# KiCad board PC110.kicad_pcb (continued)
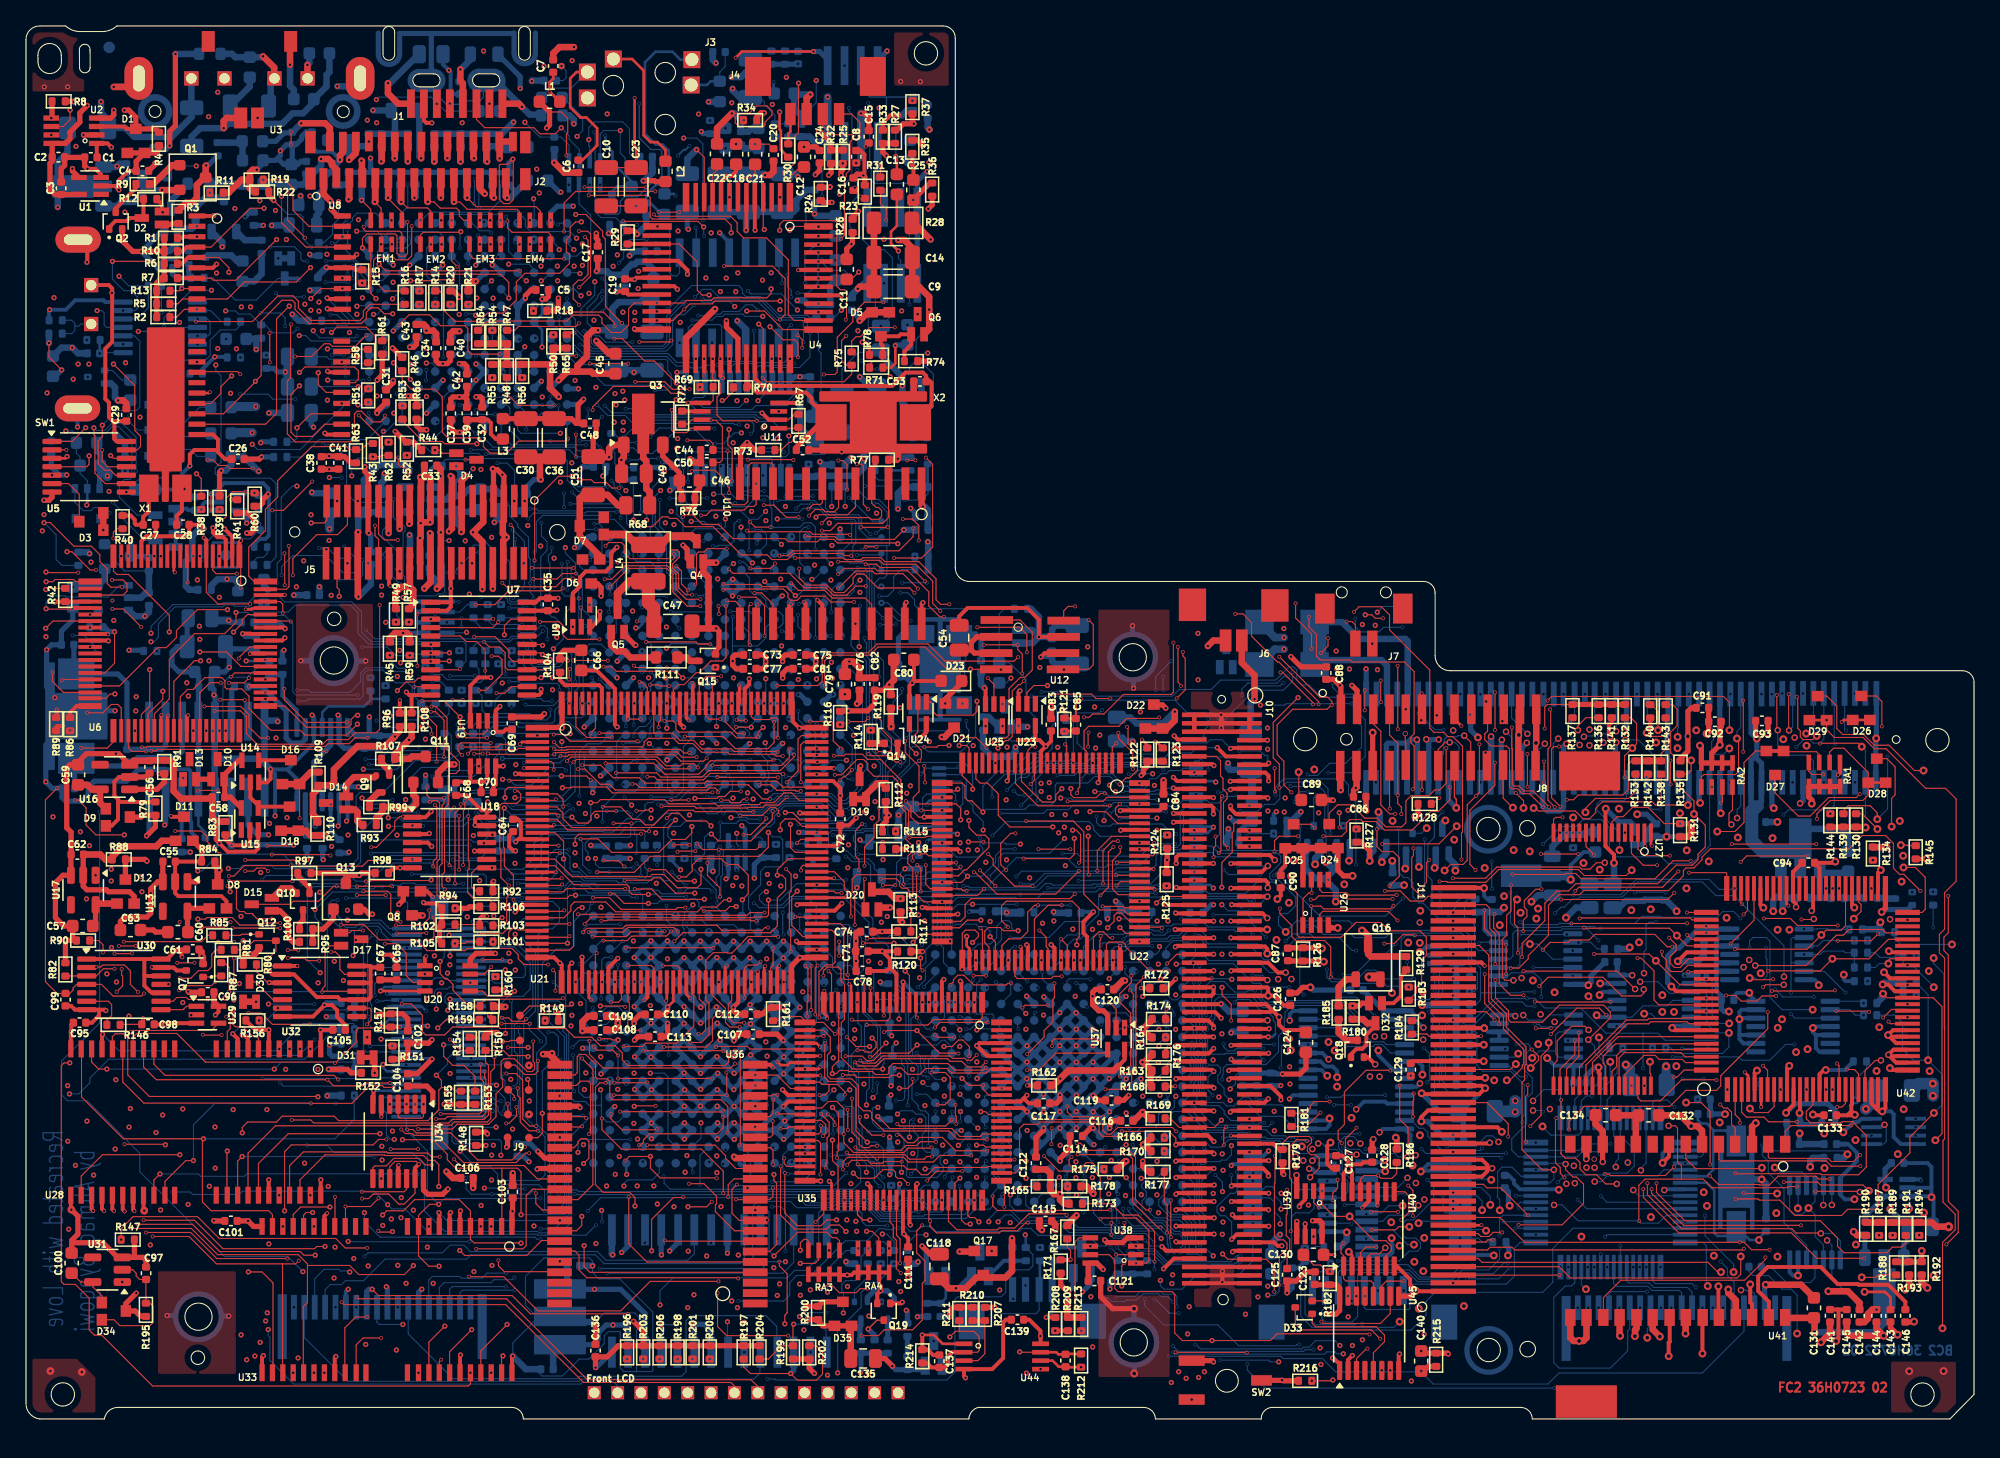
[diagram p0: board, top side]
## Routing (per net, layer and track width the routed paths; a pad name or vN(x,y) marks a point on that pad's centre or on a via; arc(x,y) is an arc through that point) (continued)
IOR#: length 220.3
  FC2 w0.08: v3(57.51,46.84) 57.51,46.23 55.83,44.55 53.32,44.55 v1(52.79,45.08) ; v3(72.99,34.16) v3(73.95,34.16) ; v3(72.45,40.71) 72.17,40.71 72.03,40.85 69.66,40.85 69.31,41.2 v3(69.31,42.67) ; v3(55.44,53.81) 55.41,53.84 54.77,53.84 v3(54.73,53.88) ; U35.86 74.14,23.46 73.92,23.68 v1(73.54,23.68)
  FC1 w0.08: v3(57.36,55.15) 57.36,55.18 56.95,55.59 55.58,55.59 54.73,54.74 v3(54.73,53.88) ; v3(72.45,40.71) 72.45,38.11 73.95,36.61 v3(73.95,34.16) ; v3(55.44,53.81) 56.02,53.81 56.31,53.52 56.31,53.06 56.01,52.76 56.01,52.41 56.17,52.25 56.17,50.11 57.62,48.66 57.62,47.6 57.51,47.49 v3(57.51,46.84) 58.02,47.35 59.83,47.35 60.34,46.84 62.29,46.84 63.6,45.53 64.66,45.53 65.27,44.92 67.19,44.92 67.76,45.49 68.5,45.49 69.31,44.68 v3(69.31,42.67) ; v1(73.54,23.68) 73.08,23.68 72.78,23.98 72.78,25.65 72.58,25.85 72.58,26.48 72.14,26.92 72.14,28.17 72.4,28.43 72.4,30.59 72.04,30.95 72.04,32.38 72.99,33.33 v3(72.99,34.16)
  IC1 w0.08: v2(138.53,19.34) 138.54,19.34 139.28,20.08 139.28,20.63 140.55,21.9 140.55,22.45 140.13,22.87 135.11,22.87 134.59,23.39 132.3,23.39 131.6,24.09 129.15,24.09 128.4,24.84 127.51,24.84 126.13,23.46 118.96,23.46 117.61,24.81 117.39,24.81 115.47,26.73 113.39,26.73 113.04,27.08 106.1,27.08 104.8,25.78 102.68,25.78 101.45,27.01 99.54,27.01 97.82,25.29 95.26,25.29 93.22,27.33 90.95,27.33 89.3,25.68 76.8,25.68 74.8,23.68 v1(73.54,23.68)
  IC3 w0.08: v2(131.17,29.75) 132.09,28.83 136.9,28.83 v2(137.23,28.5)
  BC1 w0.08: v2(138.53,19.34) 138.53,20.87 137.14,22.26 137.14,24.24 137.23,24.33 v2(137.23,28.5) 137.23,29.17 137.02,29.38 137.02,33.13 137.35,33.46 137.35,37.36 v7(136.96,37.75) ; v7(141.85,36.87) 141.85,36.94 141.06,37.73 v7(140.43,37.73) ; v7(126.3,28.62) 125.84,28.16 123.23,28.16 123.19,28.12 120.88,28.12 120.23,27.48 120.23,23.27 v7(120.3,23.2) 120.3,21.53 119.19,20.42 117.73,20.42 117.44,20.13 v7(113.64,20.13) ; v7(109.15,20.13) 109.16,20.12 v7(109.16,17.22) ; v7(72.65,26.42) 72.65,24.57 v1(73.54,23.68)
  BC2 w0.08: v7(113.64,20.13) 113.54,20.23 109.25,20.23 v7(109.15,20.13) ; v7(126.3,28.62) 126.66,28.62 127.12,28.17 130.68,28.17 131.17,28.66 v2(131.17,29.75) 130.17,29.75 129.46,30.46 129.46,31.58 ; v7(72.65,26.42) 72.57,26.5 72.57,26.92 ; U66.5 129.46,31.61 129.46,31.58 ; v1(52.79,45.08) 52.53,45.08 52.26,44.81 52.26,43.55 51.9,43.19 R326.2 ; 129.46,31.58 129.46,32.72 129.27,32.91 U66.3 ; v7(140.43,37.73) 138.82,37.73 138.77,37.78 137.98,37.78 137.95,37.75 v7(136.96,37.75) ; U72.7 109.35,15.89 109.16,16.07 v7(109.16,17.22)
IOW#: length 206.9
  FC2 w0.08: v3(61.52,56.52) 61.52,58.44 61.94,58.86 65,58.86 65.63,59.49 69.24,59.49 70.96,57.77 v3(72.09,57.77) ; v3(57.62,53.72) 57.62,52.12 57.15,51.65 54.65,51.65 53.71,52.59 v3(50.75,52.59) ; U35.89 74.17,24.96 73.73,25.4 v3(73.73,25.71) 72.63,25.71 v1(72.1,26.24) ; v3(51.67,44.34) 52.13,43.88 v3(53.36,43.88) 56.26,43.88 v3(56.55,44.17) ; U25.2 74.56,56.61 v3(74.08,57.09) ; v3(68.93,40.65) 68.93,42.41 v3(68.65,42.69)
  FC1 w0.08: v1(54.44,41.1) 53.68,41.1 53.42,41.36 53.42,43.82 v3(53.36,43.88) ; v3(50.75,52.59) 50.75,52.09 50.59,51.93 50.59,49.47 52,48.06 52,47.58 51.82,47.4 51.82,44.49 v3(51.67,44.34) ; v3(61.52,56.52) 61.52,56.52 60.38,56.52 57.62,53.76 v3(57.62,53.72) 57.62,54.05 56.86,54.81 v3(56.86,55.15) ; v3(68.65,42.69) 68.65,43.17 68.44,43.38 66.79,43.38 66.57,43.6 65.2,43.6 64.74,43.14 58.2,43.14 57.17,44.17 v3(56.55,44.17) ; v3(68.93,40.65) 71.7,40.65 72.25,40.1 72.25,38.13 72.02,37.9 72.02,36.71 72.61,36.12 73.27,36.12 73.66,35.73 73.66,33.69 72.22,32.25 72.22,31.28 72.59,30.91 72.59,28.36 72.34,28.11 72.34,27.19 72.78,26.75 72.78,25.97 73.04,25.71 v3(73.73,25.71) ; v3(72.09,57.77) 72.77,57.09 v3(74.08,57.09)
  IC1 w0.08: v2(113.09,26.1) 113.09,24.21 114.76,22.54 v2(116.81,22.54)
  IC2 w0.08: v2(107.26,15.09) 108.83,15.09 109.72,15.98 109.72,22.06 113.09,25.43 v2(113.09,26.1)
  IC3 w0.08: v1(72.1,26.24) 72.72,25.62 89.45,25.62 91.05,27.22 91.95,27.22 92.05,27.32 93.44,27.32 94.66,26.1 94.66,24.77 95.23,24.2 96.45,24.2 97.94,22.71 102.92,22.71 103.34,23.13 105.61,23.13 106.96,24.48 107.68,24.48 107.9,24.7 112.22,24.7 113.09,25.57 v2(113.09,26.1)
  BC1 w0.08: v7(120.61,24.89) 120.61,27.48 121.08,27.95 124.63,27.95 124.64,27.96 126.79,27.96 v7(126.85,27.9) ; v7(136.22,28.86) 136.22,29.96 136.64,30.38 136.64,35.48 v7(136.96,35.8) ; v1(54.44,41.1) 53.85,41.1 53.36,41.59 53.36,42.38 53.07,42.67 52.33,42.67 51.81,43.19 v7(50.72,43.19)
  BC2 w0.08: v7(120.61,24.89) 120.18,24.89 119.8,24.51 119.8,22.11 119.56,21.87 117.46,21.87 116.81,22.52 v2(116.81,22.54) ; R298.2 R299.2 140.12,35.93 139.99,36.06 138.46,36.06 138.2,35.8 v7(136.96,35.8) ; v1(72.1,26.24) 71.99,26.35 71.43,26.35 71.3,26.48 71.3,26.9 ; v2(107.26,15.09) 107.41,15.24 U72.8 ; v7(136.22,28.86) 135.53,28.86 134.31,27.64 132.19,27.64 131.93,27.9 v7(126.85,27.9)
IRQ3: length 43
  FC2 w0.08: 62.23,41.67 v3(62.24,41.68) ; v1(66.86,36.66) 66.85,36.67 v3(64.47,36.67)
  FC2 w0.2: U21.85 62.23,41.67
  FC1 w0.08: v3(64.47,36.67) 64.47,37.88 63.99,38.36 62.77,38.36 62.24,38.89 v3(62.24,41.68) ; v3(66.99,45.28) 67.4,45.69 68.62,45.69 69.91,44.4 v3(70.57,44.4) 70.57,43.3 69.64,42.37 68.36,42.37 67.95,41.96 67.02,41.96 66.42,41.36 66.42,40.24 67,39.66 67,38.97 66.86,38.83 v1(66.86,36.66)
  BC1 w0.08: v7(70.03,22.4) 68.22,22.4 68.02,22.6 68.02,23.67 67.91,23.78 v7(67.91,24.17)
  BC2 w0.08: v7(70.03,22.4) 70.04,22.4 U74.E1 ; v7(67.91,24.17) 67.91,24.56 67.98,24.63 67.98,26.52 67.92,26.58 67.92,27.47 67.78,27.61 67.78,32.52 66.95,33.35 66.95,36.57 v1(66.86,36.66)
IRQ4: length 77.5
  FC2 w0.08: v3(68.29,43.03) 68.29,43.42 68.77,43.9 U22.36
  FC2 w0.3: U22.36 71.77,43.9 v1(71.95,43.72)
  FC1 w0.08: v3(68.29,43.03) 67.03,43.03 66.57,42.57 65.21,42.57 64.84,42.94 62.36,42.94 60.91,41.49 v3(60.91,41.17)
  IC2 w0.08: v1(84.69,17.21) 84.69,17.76 84.33,18.12 84.33,18.76 83.89,19.2 83.02,19.2 80.53,21.69 78.32,21.69 77.78,22.23 v1(77.11,22.23)
  BC1 w0.08: v1(77.11,22.23) 76.86,22.48 v7(73.91,22.48) ; v7(83.65,16.2) 83.79,16.34 83.79,17.53 84.04,17.78 84.57,17.78 84.69,17.66 v1(84.69,17.21) ; v7(74.28,23.62) 73.91,23.99 73.91,27.3 73.9,27.31 73.9,28.93 73.7,29.13 73.7,31.14 73.37,31.47 73.37,32.27 73.05,32.59 72.5,32.59 72.34,32.43 71.68,32.43 71.43,32.68 71.43,32.94 71.59,33.1 72.08,33.1 72.42,33.44 72.42,34.5 71.84,35.08 71.84,38.23 71.37,38.7 71.37,40.05 71.85,40.53 71.85,42.9 71.95,43 v1(71.95,43.72) ; v7(83.54,13.21) 83.77,12.98 83.77,10.9 82.99,10.12 v7(82.99,9.35) ; v7(88.34,9.04) 88.34,9.32 88.99,9.97 88.99,11.77 v7(87.95,12.81)
  BC2 w0.08: v7(73.91,22.48) 73.84,22.55 73.84,23.11 74.28,23.55 v7(74.28,23.62) ; v7(88.34,9.04) 87.96,9.42 87.46,9.42 87.23,9.65 86.04,9.65 85.56,9.17 84.76,9.17 84.63,9.04 83.62,9.04 83.32,9.34 83,9.34 v7(82.99,9.35) ; v7(83.54,13.21) 84.06,12.69 R384.2 ; v7(87.95,12.81) 87.98,12.84 87.98,13.41 87.91,13.48 87.91,14.09 87.31,14.69 84.19,14.69 83.65,15.23 v7(83.65,16.2)
IRQ5: length 106.9
  FC2 w0.08: v3(81.1,42.23) 79.32,40.45 74.79,40.45 73.11,42.13 v3(73.01,42.13) ; v3(65.7,47.11) 65.7,46.13 65.32,45.75 65.32,44.81 64.59,44.08 v3(64.59,42.64) ; v3(62.82,40.54) 62.36,40.54 62.23,40.67 U21.83 ; v3(82.52,42.24) 82.52,43.8 83.62,44.9 U22.92
  FC1 w0.08: v3(73.01,42.13) 73.01,43.03 73.28,43.3 v1(73.28,43.85) 73.28,44.6 72.36,45.52 71.4,45.52 70.99,45.93 69.04,45.93 67.86,47.11 v3(65.7,47.11) ; v3(62.82,40.54) 62.82,41.18 63.81,42.17 63.81,42.43 64.02,42.64 v3(64.59,42.64) ; v3(81.1,42.23) 82.51,42.23 v3(82.52,42.24)
  IC2 w0.08: v1(70.74,24.88) 71.24,24.38 71.24,23.47 71.76,22.95 74.35,22.95 75.8,21.5 80.34,21.5 82.83,19.01 83.75,19.01 84.1,18.66 84.1,17.89 84.31,17.68 84.31,16.91 84.5,16.72 85.35,16.72 v1(85.91,17.28)
  IC4 w0.08: v1(73.28,43.85) 70.68,41.25 69.92,41.25 68.31,39.64 68.31,38.42 70.2,36.53 70.2,35.08 69.8,34.68 69.8,25.82 v1(70.74,24.88)
  BC1 w0.08: v7(88.65,8.66) 88.65,9.31 89.16,9.82 89.16,12.12 v7(88.44,12.84) ; v7(84.51,16.2) 84.51,16.41 84.88,16.78 85.41,16.78 v1(85.91,17.28) ; v7(83.93,9.35) 83.93,10.6 84.05,10.72 v7(84.05,13.21) ; v1(70.74,24.88) 71.36,24.26 v7(71.36,23.68)
  BC2 w0.08: 71.3,23.09 71.3,23.63 v7(71.36,23.68) ; v7(84.05,13.21) 84.66,12.6 84.66,12.5 84.96,12.2 R387.2 ; v7(88.44,12.84) 88.44,12.94 88.17,13.21 88.17,13.48 88.11,13.54 88.11,14.22 87.45,14.88 85.24,14.88 84.51,15.61 v7(84.51,16.2) ; v7(83.93,9.35) 84.02,9.44 85.45,9.44 85.86,9.85 87.36,9.85 87.6,9.61 88.48,9.61 88.65,9.44 v7(88.65,8.66)
IRQ7: length 95.1
  FC2 w0.08: U22.37 69.52,43.4 69.37,43.55 v3(68.82,43.55) ; v1(59.4,39.63) 59.44,39.67
  FC2 w0.3: 59.44,39.67 U21.81
  FC1 w0.08: v3(68.82,43.55) 68.05,44.32 67.2,44.32 66.68,43.8 64.87,43.8 64.42,43.35 58.42,43.35 57.27,44.5 56.44,44.5 56.21,44.27 56.21,43.86 57.18,42.89 58.55,42.89 58.86,42.58 58.86,40.17 v1(59.4,39.63)
  IC2 w0.08: v1(87.11,17.27) 86.38,16.54 84.27,16.54 84.12,16.69 84.12,16.74 84.11,16.75 84.11,17.54 83.69,17.96 83.44,17.96 82.12,19.28 75.09,19.28 73.77,20.6 73,20.6 72.77,20.83 72.77,21.32 72.39,21.7 71.64,21.7 69.96,23.38 68.66,23.38 68.26,22.98 v1(67.58,22.98)
  IC4 w0.08: v1(59.4,39.63) 60.79,39.63 63.05,37.37 63.05,26.48 64.27,25.26 64.27,23.05 64.66,22.66 67.26,22.66 67.32,22.72
  IC4 w0.3: v1(67.58,22.98) 67.32,22.72
  BC1 w0.08: v1(87.11,17.27) 86.69,16.85 86.49,16.85 86.21,16.57 85.32,16.57 v7(84.94,16.19) ; v7(68.6,25.02) 67.84,25.02 67.58,24.76 v1(67.58,22.98) ; v7(88.78,8.15) 88.99,8.36 88.99,9.36 89.35,9.72 89.35,12.43 v7(88.94,12.84) ; v7(86.92,11.53) 86.93,11.52 v7(86.93,9.21)
  BC2 w0.08: R389.2 86.75,12.2 86.92,12.03 v7(86.92,11.53) ; v7(88.94,12.84) 88.94,13.2 89.11,13.37 89.11,13.96 88.82,14.25 88.38,14.25 87.51,15.12 85.8,15.12 84.94,15.98 v7(84.94,16.19) ; v7(68.6,25.02) 69.38,25.02 U74.G1 ; v7(88.78,8.15) 88.09,8.15 87.03,9.21 v7(86.93,9.21)
IRQ9: length 30.2
  FC2 w0.08: v3(59.26,38.69) 59.28,38.67 U21.79
  FC1 w0.08: v3(59.26,38.69) 56.6,38.69 56.3,38.99 56.3,40.37 56.56,40.63 v1(57.03,40.63)
  BC1 w0.08: v7(68.54,31.95) v7(67.14,31.95)
  BC2 w0.08: U74.N1 68.57,31.98 v7(68.54,31.95) ; v1(57.03,40.63) 56.76,40.63 56.49,40.36 56.49,40 56.9,39.59 58.2,39.59 58.87,40.26 62.92,40.26 64.92,38.26 64.92,37.42 65.58,36.76 66.09,36.76 66.42,36.43 R325.2 65.51,34.56 65.3,34.35 65.3,32.7 65.67,32.33 66.76,32.33 v7(67.14,31.95)
IRQ10: length 56.9
  FC2 w0.08: v3(63.29,34.21) 63.29,37.62 62.74,38.17 U21.78
  FC1 w0.08: v3(63.29,34.21) 64.36,34.21 64.64,33.93 64.64,32.94 65.03,32.55 65.72,32.55 65.86,32.41 65.86,31.64 65.69,31.47 65.69,27.51 65.55,27.37 65.55,25.38 65.78,25.15 65.78,24.67 65.62,24.51 v1(65.62,24.01)
  IC4 w0.08: v1(61.74,9.77) 61.73,9.78 61.73,15.44 64.11,17.82 64.11,19.44 65.5,20.83 67.2,20.83 67.58,21.21 67.58,22.06 68.23,22.71 68.23,23.53 67.59,24.17 66.5,24.17 66.34,24.01 v1(65.62,24.01)
  BC1 w0.08: v7(67.67,22.36) 67.82,22.21 68.72,22.21 69.04,21.89 70.81,21.89 71.57,22.65 72.35,22.65 73.03,21.97 74.36,21.97 v7(75.19,21.14)
  BC2 w0.08: v1(65.62,24.01) 65.29,24.01 65.19,23.91 65.19,22.85 65.68,22.36 v7(67.67,22.36) ; v7(75.19,21.14) 75.11,21.06 75.11,20.54 ; v1(61.74,9.77) 61.75,9.78 61.75,11.56 63.17,12.98 R394.2
IRQ11: length 32.8
  FC2 w0.08: v3(61.12,30.94) 61.08,30.98 61.08,34.47 61.6,34.99 62.11,34.99 62.32,35.2 62.32,37.42 62.07,37.67 U21.77 ; v3(61.54,28.97) 61.52,28.95 61.52,26.3 61.82,26 63.39,26 63.93,25.46 63.93,22.2 v1(64.8,21.33)
  FC1 w0.08: v3(61.12,30.94) 61.12,29.39 v3(61.54,28.97)
  BC1 w0.08: v7(66.64,18) 66.96,18.32 66.96,19.1 66.73,19.33 v7(66.06,19.33) 66.44,19.71 69.82,19.71 70.38,19.15 71.12,19.15 71.36,18.91 v7(71.36,18.62)
  BC2 w0.08: v7(71.36,18.62) 71.3,18.57 71.3,18.01 ; v1(64.8,21.33) 65.51,21.33 66.06,20.78 v7(66.06,19.33)
IRQ14: length 170.9
  FC2 w0.08: v3(118.86,22.3) 118.86,22.93 120.02,24.09 126.63,24.09 127.86,25.32 130.2,25.32 130.54,25.66 130.54,26.45 134.16,30.07 v3(134.16,31.35) ; 144.93,36.96 143.45,36.96 141.95,35.46 v2(139.14,35.46) 138.21,34.53 v3(134.18,34.53) ; v3(114.17,21.76) 114.17,22.75 112.54,24.38 109.93,24.38
  FC2 w0.3: U21.75 59.49,36.67 v1(59.35,36.81)
  FC1 w0.08: v3(134.16,31.35) 134.16,34.51 v3(134.18,34.53) ; v3(114.17,21.76) 118.32,21.76 v3(118.86,22.3)
  IC2 w0.08: v1(68.29,26.94) 67.93,27.3 60.45,27.3 59.2,28.55 59.2,35.81 59.35,35.96 v1(59.35,36.81) ; v1(68.31,20.46) 68.86,20.46 70.21,19.11 72.73,19.11 v1(73.22,18.62)
  IC3 w0.08: v2(139.14,35.46) 137.4,35.46 136.47,34.53 136.47,32.84 135.9,32.27 129.2,32.27 127.7,30.77 124.42,30.77 123.34,31.85 119.55,31.85 118.97,32.43 113.56,32.43 112.4,33.59 102.35,33.59 102.15,33.79 98.82,33.79 97.62,34.99 97.62,35.02 91.22,35.02 89.56,33.36 88.16,33.36 87.85,33.05 81.75,33.05 80.75,34.05 77.05,34.05 76,33 63.16,33 v1(59.35,36.81)
  IC4 w0.08: v1(68.31,20.46) 68.28,20.49 68.28,21.26 68.45,21.43 68.45,25.32 68.3,25.47 68.3,26.93 v1(68.29,26.94)
  BC1 w0.08: v7(73.93,18.61) 73.23,18.61 v1(73.22,18.62) ; v7(141.85,33.74) 140.13,35.46 v2(139.14,35.46)
  BC2 w0.08: 73.84,18 73.84,18.52 v7(73.93,18.61)
IRQ15: length 76.9
  FC2 w0.08: v3(61.77,23.47) 62.3,22.94 v3(62.3,22.67) ; v3(60.97,34.94) 60.79,34.76 60.79,31.18 v3(60.8,31.17)
  FC1 w0.08: 67.42,13.66 67.42,13.84 67.26,14 67.26,17.47 66.84,17.89 66.84,18.42 67.03,18.61 67.03,20.41 67.63,21.01 67.63,22.37 68.06,22.8 68.06,23.41 67.52,23.95 66.89,23.95 66.44,23.5 66.44,23.3 65.81,22.67 v3(62.3,22.67) ; 67.42,13.66 67.42,12.58 65.44,10.6 65.44,4.02 v1(64.9,3.48) ; 67.42,13.66 67.46,13.7 68.84,13.7 v1(69.33,14.19) ; v3(60.8,31.17) 60.8,26.23 61.03,26 61.32,26 61.62,25.7 61.62,24.01 61.75,23.88 61.75,23.49 v3(61.77,23.47) ; v3(60.97,34.94) 60.97,36.11 v3(60.91,36.17)
  BC1 w0.08: v1(64.9,3.48) 64.9,4 62.55,6.35 62.55,11 61.86,11.69 61.86,15.69 62.2,16.03 v7(62.64,16.03) ; v7(73.93,19.87) 73.93,19.86 73.32,19.25 73.1,19.25 72.64,18.79 72.64,17.76 72.52,17.64 69.58,17.64 67.84,15.9 67.33,15.9 v7(66.33,14.9)
  BC2 w0.08: R391.2 67.89,13.54 68.54,14.19 v1(69.33,14.19) ; v7(62.64,16.03) 64.21,16.03 64.39,15.85 64.39,15.22 64.71,14.9 v7(66.33,14.9) ; v7(73.93,19.87) 73.84,19.78 73.84,19.3
KB_CAPLED#: length 19
  BC1 w0.08: v7(119.52,16.9) 119.51,16.91 118.52,16.91 118.4,17.03 117.18,17.03 117.06,16.91 114.45,16.91 114.28,17.08 113.37,17.08 v2(112.79,16.5)
  BC2 w0.08: v2(112.79,16.5) 112.79,17.14 112.1,17.84 U72.4 ; U67.27 120.22,16.2 v7(119.52,16.9)
KB_CNTR#: length 103.6
  FC2 w0.08: v3(67.38,11.25) 67.04,11.59 67.04,13.77 66.8,14.01 66.8,14.92 66.55,15.17 U35.61
  FC1 w0.08: v3(67.38,11.25) 67.28,11.25 66.78,10.75 66.78,10.41 v1(67.37,9.82)
  IC3 w0.08: v1(67.37,9.82) 66.91,9.82 66,10.73 65.75,10.73 65.73,10.72 62.16,10.72 61.58,11.29 50.52,11.29 50.02,11.79 50.02,11.86 50.01,11.87 50.01,13.08 50.88,13.95 60.17,13.95 60.86,13.26 67.5,13.26 68.91,14.67 69.71,14.67 69.88,14.5 69.93,14.5 69.96,14.47 74.75,14.47 75.35,15.07 75.35,15.46 75.63,15.74 79.94,15.74 80.89,14.79 85.54,14.79 85.87,14.46 88.54,14.46 90.83,12.17 94.47,12.17 96.12,13.82 98.18,13.82 101.16,16.8 104.93,16.8 105.76,15.97 107.64,15.97 108.05,15.56 113,15.56 v2(113.52,16.08)
  BC2 w0.08: U67.59 115.16,18.7 114.46,19.4 113.68,19.4 113.36,19.08 113.36,17.16 113.33,17.13 113.33,17.09 113.52,16.9 v2(113.52,16.08)
KB_INIT1: length 182.5
  FC2 w0.08: v2(131.79,52.44) 131.91,52.32 131.91,49.89 131.68,49.66 129.23,49.66 129.05,49.48 RA2.5
  IC2 w0.08: v2(126.04,32.66) 126.04,33.64 126.31,33.91 126.31,37.06 124.39,38.98 124.39,42.03 125.09,42.73 125.09,50.58 126.23,51.72 126.23,53.64 ; 126.32,53.64 111.09,53.64 110.28,52.83 110.28,51.75 109.27,50.74 107.17,50.74 103.25,54.66 100.31,54.66 98.95,56.02 97.22,56.02 95.58,54.38 94.8,54.38 93.15,52.73 90.97,52.73 89.5,51.26 81.62,51.26 77.98,54.9 77.98,57.35 76.41,58.92 69.27,58.92 66.54,61.65 66.54,65.11 68.19,66.76 68.19,68.17 68.66,68.64 68.66,74.65 59.05,84.27 59.05,88.35 58.08,89.31 55.82,89.31 v1(54.83,88.32) ; v2(131.79,52.44) 131.79,53.34 131.49,53.64 126.29,53.64
  BC1 w0.08: v7(127.8,21.3) 127.8,21.52 127.37,21.95 127.37,22.59 126.54,23.42 126.54,24.09 128.08,25.63 128.08,29.5 126.47,31.11 126.47,32.23 v2(126.04,32.66) ; v1(54.83,88.32) 54.81,88.32 52.53,90.6 52.52,90.59 v7(48.52,90.59) ; v7(45.67,89.09) 45.5,89.26 43.42,89.26 43.15,89.53 43.15,90.1 43.86,90.81 44.99,90.81 45.6,91.42 45.6,94.33 44.82,95.11 v7(44.23,95.11)
  BC2 w0.08: v2(131.79,52.44) 131.79,52.98 132.08,53.27 J13.14 ; v7(48.52,90.59) 48.51,90.6 46.67,90.6 46.04,89.97 46.04,89.46 v7(45.67,89.09)
KB_INIT2: length 180.1
  FC1 w0.08: v2(127.21,51.69) 127.21,50.35 128.86,48.7 v3(129.85,48.7)
  IC2 w0.08: v2(127.21,51.69) 126.92,51.4 126.92,40.55 126.58,40.21 126.58,34.37 127.38,33.57 127.38,32.69 126.53,31.84 126.51,31.84 v2(126.04,31.37)
  IC3 w0.08: v2(127.21,51.69) 126.32,52.58 126.32,54.23 124.44,56.11 108.24,56.11 106.93,57.42 106.93,58.99 105.31,60.61 102.64,60.61 100.2,63.05 70.14,63.05 69.9,63.29 69.9,77.85 66.72,81.03 66.71,81.02 62.96,81.02 58.84,85.14 58.84,86.69 57.8,87.73 57.8,89.48 56.23,91.05 55.46,91.05 55.05,91.46 55.05,100.76 54.38,101.43 v1(54.36,101.43)
  BC1 w0.08: v7(43.43,95.11) 43.43,94.03 v7(44.38,93.07) ; v7(131.28,55.86) 130.84,56.3 128.73,56.3 128.48,56.05 128.48,55.58 127.74,54.84 126.99,54.84 126.39,54.24 126.39,51.98 126.68,51.69 v2(127.21,51.69) ; v7(125.9,23.2) 125.9,23.96 127.91,25.97 127.91,28.78 127.27,29.42 126.59,29.42 126.04,29.97 v2(126.04,31.37)
  BC1 w0.1: v7(47.24,101.36) 47.62,101.36 48.12,101.86 53.36,101.86 53.79,101.43 v1(54.36,101.43)
  BC2 w0.1: v7(47.24,101.36) 47.24,98.72 48.13,97.83 48.85,97.83 48.98,97.7 48.98,95.61 48.84,95.47 48.4,95.47 47.13,94.2 46.14,94.2 45.78,93.84 45.78,93.02 45.6,92.84 44.61,92.84 v7(44.38,93.07)
KB_INIT3: length 159.4
  FC2 w0.08: v4(131.36,45.81) 131.18,45.99 131.18,46.67 131.44,46.94 RA2.8
  IC1 w0.08: v1(42.22,88.84) 42.28,88.78 42.28,84.18 43.89,82.57 44.28,82.57 47.39,79.46 53.74,79.46 54.35,78.85 54.35,77.84 53.55,77.04 53.55,73.97 55.16,72.36 61.83,72.36 66.25,67.94 67.5,67.94 69.74,65.7 69.74,62.87 70.07,62.54 97.74,62.54 99.62,60.66 99.62,57.01 101.57,55.06 116.62,55.06 119.25,52.43 119.25,51.57 122.25,48.57 129.67,48.57 129.67,48.56 131.28,46.95 131.28,45.89 v4(131.36,45.81)
  BC1 w0.08: v7(131.28,49.06) 131.28,45.89 v4(131.36,45.81) 131.36,41.63 130.34,40.61 130.34,39.22 128.81,37.69 128.81,30.49 129.21,30.09 v7(129.21,26.19) ; v7(124.3,23.2) 124.3,24.65 125.86,26.21 127.59,26.21 v7(127.61,26.19) ; v7(41.83,95.11) 41.83,94.59 41.67,94.43 41.67,89.39 v1(42.22,88.84)
  BC2 w0.08: v7(129.21,26.19) v7(127.61,26.19)
KB_INIT4: length 167.9
  FC2 w0.08: v3(130.56,47.49) 130.67,47.6 RA2.7
  FC1 w0.08: v4(131.8,46.31) 131.8,47.04 131.35,47.49 v3(130.56,47.49) 130.2,47.49 129.42,48.27 128.68,48.27 125.56,51.39 v2(125.56,52.13)
  IC1 w0.08: v1(45.55,89.71) 46.15,89.11 46.15,87.26 50.46,82.95 51.95,82.95 55.96,78.94 55.96,78.01 55.49,77.54 54.69,77.54 53.74,76.59 53.74,74.62 55.17,73.19 61.48,73.19 66.5,68.17 67.66,68.17 69.97,65.86 69.97,63.11 70.27,62.81 97.89,62.81 99.81,60.89 99.81,57.19 101.67,55.33 122.66,55.33 123.74,54.25 123.74,52.97 124.58,52.13 v2(125.56,52.13)
  IC2 w0.08: v2(125.56,52.13) 124.73,51.3 124.73,44.11 122.84,42.22 122.84,38.67 123.12,38.39 124.1,38.39 126.04,36.45 126.04,34.26 125.42,33.64 125.42,28.62 124.6,27.8 124.6,26.82 125.04,26.38 126.95,26.38 127.12,26.55 v2(127.12,27.19)
  BC1 w0.08: v1(45.55,89.71) 45.54,89.72 v7(43.5,89.72) ; v7(123.8,23.2) 123.8,25.11 124.79,26.1 124.79,26.57 125.88,27.66 126.65,27.66 v2(127.12,27.19)
  BC2 w0.08: EM5.7 42.6,93.65 43.5,92.75 v7(43.5,89.72) ; J13.87 132.08,47.23 131.87,47.02 131.86,47.02 131.8,46.96 v4(131.8,46.31)
KB_IRQ1: length 85.5
  FC2 w0.08: U21.86 62.26,42.17 63.03,41.4 63.03,40.87 63.53,40.37 63.53,38.73 v3(63.54,38.72)
  FC1 w0.08: v1(66.34,38.72) 66.04,39.02 64.77,39.02 64.47,38.72 v3(63.54,38.72)
  IC3 w0.08: v2(126.94,31.37) 126.29,32.02 120.12,32.02 118.76,33.38 116.85,33.38 116.33,32.86 113.8,32.86 112.78,33.88 104.46,33.88 103.79,34.55 103.08,34.55 102.91,34.38 98.64,34.38 97.83,35.19 89.81,35.19 88.98,34.36 71.09,34.36 69.24,36.21 68.02,36.21 66.92,37.31 66.92,38.14 v1(66.34,38.72)
  BC1 w0.08: v7(126.98,24.03) 126.98,24.19 128.39,25.6 128.39,29.92 v2(126.94,31.37)
  BC2 w0.08: v7(126.98,24.03) 126.44,24.57 125.44,24.57 125.3,24.43 U67.15
KB_IRQ12: length 89.4
  FC2 w0.08: v1(59.41,40.68) 58.98,40.25 58.98,38.03 59.84,37.17 U21.76
  FC1 w0.08: v4(124.39,19.16) 124.39,19.29 123.81,19.87 123.81,20.6 122.38,22.03 120.03,22.03 119.3,22.76 117.63,22.76 116.6,23.79 116.6,28.76 v2(116.48,28.88)
  IC1 w0.08: v2(116.48,28.88) 115.56,28.88 115.05,29.39 110.66,29.39 109.27,28 105.88,28 105.25,28.63 105.25,30.22 103.11,32.36 98.7,32.36 97.8,33.27 93.61,33.27 93.23,32.89 90.25,32.89 88.67,34.47 71.85,34.47 69.01,37.31 66.74,37.31 66.34,36.91 64.48,36.91 60.6,40.79 59.52,40.79 v1(59.41,40.68)
  BC2 w0.08: U67.14 124.79,23.19 124.79,19.72 124.39,19.32 v4(124.39,19.16)
KB_KBCSMI: length 47.1
  IC1 w0.08: v1(95.65,10.23) 96.89,8.99 108.17,8.99 109.16,8 111.28,8 114.07,10.79 128.39,10.79 128.94,10.24 v2(129.54,10.24)
  BC1 w0.08: v7(94.51,15.09) 94.33,14.91 94.33,10.68 94.78,10.23 v1(95.65,10.23)
  BC2 w0.08: U67.32 129.17,13.6 129.43,13.34 129.43,10.35 v2(129.54,10.24)
KB_NUMLED#: length 18.2
  BC1 w0.08: v2(112.86,18.43) 117.51,18.43 117.64,18.56 119.73,18.56 121.13,17.16 v7(121.32,17.16)
  BC2 w0.08: U72.3 112.8,18.49 v2(112.86,18.43) ; U67.26 121.78,16.7 v7(121.32,17.16)
KB_PADLED#: length 20.3
  IC2 w0.08: v2(112.16,16.09) 112.16,16.9 112.17,16.91 112.17,16.96 112.41,17.2 116.99,17.2 v4(117.7,16.49)
  BC2 w0.08: U67.28 126.35,15.7 125.74,15.09 124.39,15.09 124.21,15.27 119.55,15.27 118.33,16.49 v4(117.7,16.49) ; v2(112.16,16.09) 112.16,16.79 111.77,17.19 U72.5
KB_RESET#: length 228.1
  FC2 w0.08: v3(40.21,35.02) 38.36,35.02 37.92,35.46 37.92,35.77 37.43,36.26 33.99,36.26 33.82,36.09 30.9,36.09 30.07,36.92 27.21,36.92 26.05,38.08 v3(24.27,38.08) ; v3(103.33,5.42) 103.25,5.42 102.48,4.66 U45.3 ; U40.4 103.44,12.58 103.59,12.73 104.25,12.73 v4(104.7,13.18) ; v3(21.08,46.29) 21.08,46.3 D16.1 21.08,48.99 ; v3(46.16,31.76) 46.1,31.82 v1(44.24,31.82) ; v3(104.1,16.45) 104.09,16.46
  FC2 w0.3: 104.09,16.46 U40.10
  FC2 w0.5: D16.1 D16.3 ; R109.2 21.94,49.85 21.08,48.99
  FC1 w0.08: v3(21.08,46.29) 21.08,43.86 20.11,42.89 20.11,39.96 20.93,39.14 20.93,39.1 21.95,38.08 v3(24.27,38.08) ; v1(88.32,11.11) 87.16,11.11 86.26,12.01 86.26,14.27 85.7,14.83 80.46,14.83 79.44,15.85 69.79,15.85 69.05,16.59 v3(69.05,16.86) 69.05,17.06 69.8,17.81 69.8,19.67 68.72,20.75 68.72,22.17 68.29,22.6 68.29,23.67 67.83,24.13 67.83,26.75 67.49,27.09 67.49,29.65 67.25,29.89 v1(67.25,30.82) ; v3(104.1,16.45) 104.1,16.05 104.24,15.91 104.24,13.71 104.7,13.25 v4(104.7,13.18) 104.7,7.2 103.33,5.83 v3(103.33,5.42) ; v1(44.24,31.82) 44.24,33.05 43.1,34.19 40.46,34.19 40.21,34.44 v3(40.21,35.02) ; v3(46.16,31.76) 46.16,32.98 v3(46.87,33.69)
  IC3 w0.08: v2(130.01,12.58) 130.01,12.33 128.43,10.75 107.18,10.75 104.75,13.18 v4(104.7,13.18) 104.54,13.18 103.1,11.74 100.91,11.74 95.95,6.78 90.4,6.78 88.93,8.25 88.93,10.89 88.71,11.11 v1(88.32,11.11) ; v1(67.25,30.82) 62.91,30.82 62.73,31 45.06,31 v1(44.24,31.82)
  BC1 w0.08: v7(129.22,21.96) 129.22,24.18 v7(128.76,24.63) ; v2(130.01,12.58) 129.11,12.58 128.3,13.39 128.3,19.82 127.92,20.2 v7(127.8,20.2) ; v7(65.89,40.85) 65.88,40.85 65.48,40.45 65.48,39.13 65.29,38.94 65.29,37.57 66.68,36.18 v7(66.68,32.64) ; v7(58.92,55) 58.92,54.14 59.37,53.69 59.79,53.69 60.96,52.52 63.2,52.52 63.48,52.24 64.11,52.24 64.68,52.81 67.9,52.81 68.44,52.27 68.44,52.22 68.64,52.02 68.69,52.02 70.1,50.61 70.1,44.41 69.63,43.94 v7(68.26,43.94)
  BC2 w0.08: v7(66.68,32.64) 67.08,32.64 67.5,32.22 67.5,31.59 67.25,31.34 v1(67.25,30.82) ; v7(129.22,21.96) 129.22,20.42 129,20.2 v7(127.8,20.2) ; v7(65.89,40.85) 66.58,40.85 67.06,41.33 67.06,42.86 67.41,43.21 68.04,43.21 68.26,43.43 v7(68.26,43.94)
KB_RXD: length 33.7
  IC4 w0.08: v2(106.94,12.11) 118.78,12.11 123.17,16.5 123.17,19.55 v4(123.38,19.76)
  BC1 w0.08: v4(123.38,19.76) 123.31,19.83 123.31,23.19 v7(123.3,23.2) ; v7(102.09,15.02) 102.25,14.86 102.25,13.29 103.43,12.11 v2(106.94,12.11)
  BC2 w0.08: U73.9 102.03,15.09 v7(102.09,15.02)
KB_SCLK#: length 162.2
  FC2 w0.08: v1(32.61,58.41) 32.59,58.39 v3(31.18,58.39)
  FC1 w0.08: v3(31.18,58.39) 29.38,58.39 29.02,58.74 28.14,58.74 v3(28.03,58.85)
  IC1 w0.08: v4(122.46,19.42) 122.32,19.42 121.84,18.94 118.58,18.94 117.82,19.7 116.83,19.7 116.03,18.9 108.7,18.9 108.39,18.58 107.28,18.58 106.84,19.02 106.12,19.02 104.88,17.78 97.74,17.78 97.17,18.35 94.6,18.35 93.97,18.98 93.97,19.46 93.24,20.19 92.4,20.19 92.28,20.07 90.2,20.07 89.84,20.43 84.4,20.43 84.11,20.14 84.11,19.83 83.71,19.43 79.38,19.43 78.1,20.71 72.9,20.71 69.9,23.71 68.03,23.71 67.8,23.94 66.78,23.94 66.48,23.64 66.48,23.04 66.08,22.64 60.22,22.64 58.6,21.02 49.69,21.02 48.48,19.81 47.8,19.81 44.56,23.05 32.62,23.05 30.58,21.01 v1(27.41,21.01)
  IC2 w0.08: v1(27.41,21.01) 26.76,21.01 26.4,21.38 26.4,25.47 26.69,25.76 30.14,25.76 32.79,28.41 32.79,30.18 32.12,30.85 32.12,31.85 31.99,31.98 31.52,31.98 31.41,31.87 30.92,31.87 30.58,32.21 30.58,36.58 31.98,37.98 34.28,37.98 34.66,38.36 34.66,39.06 33.61,40.11 33.61,53 32.73,53.88 32.73,58.29 v1(32.61,58.41)
  BC2 w0.08: v4(122.46,19.42) 122.46,19.84 122.67,20.05 122.67,21.4 122.3,21.77 U67.9
